# Allegro board MYD-Y6ULX_TEST_V10A.brd (continued)
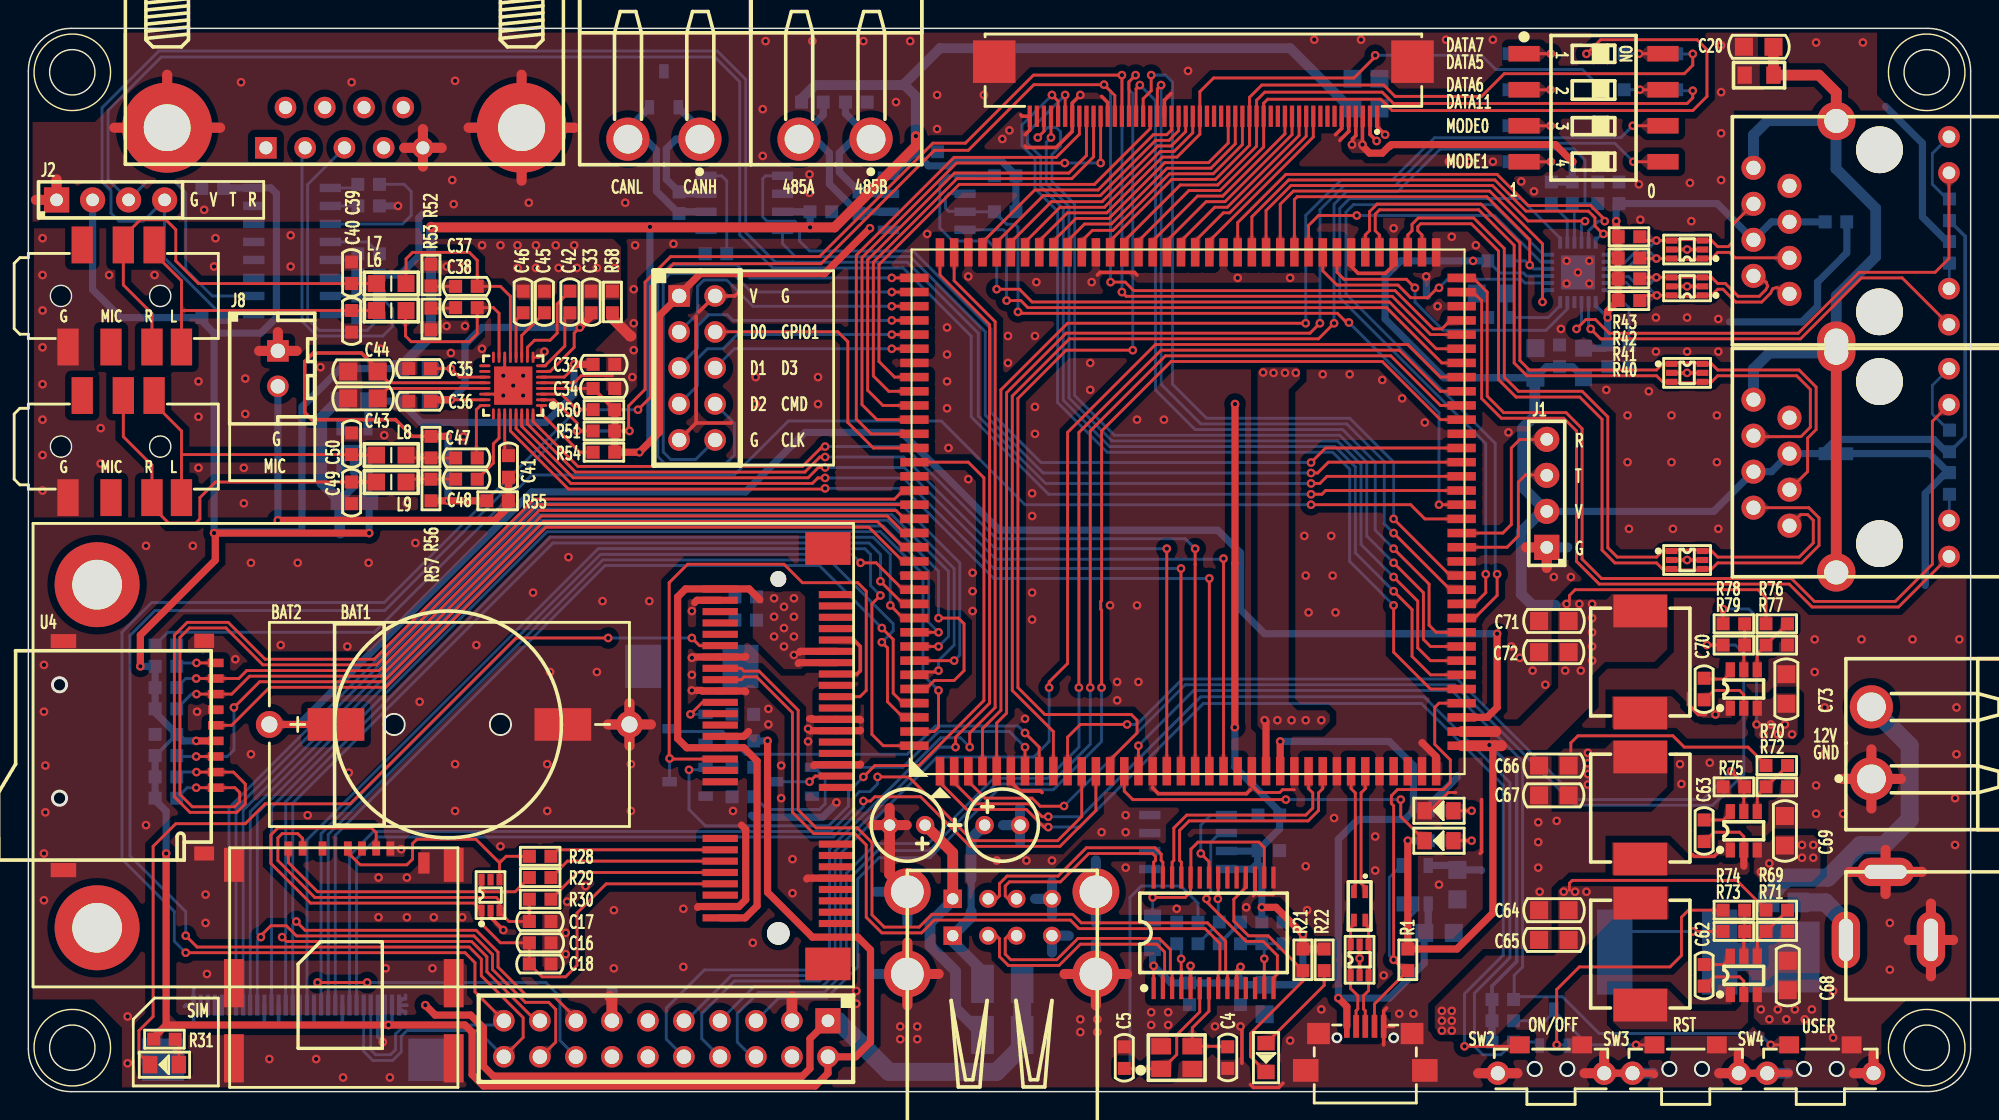
[diagram p0: board, top side]
## Routing (per net, layer and track width the routed paths; a pad name or vN(x,y) marks a point on that pad's centre or on a via; arc(x,y) is an arc through that point) (continued)
SNVS_TAMPER1: length 24.7
  TOP w0.203: v1(88.7,20.6) 77.9,20.6 77.3,21.2 U1.14 ; v1(96.8,20.6) 96.8,19.4 98.48,17.72 D2.2
  BOTTOM w0.203: v1(88.7,20.6) v1(96.8,20.6)
SNVS_TAMPER3: length 69.8
  TOP w0.203: v1(58.9,20.5) 59.4,20.5 59.7,20.8 62.93,20.8 66.43,17.3 72.77,17.3 75.3,19.83 U1.12
  BOTTOM w0.203: v1(58.9,20.5) 58.9,20.1 58.63,19.83 58.63,19.82 56.77,17.96 24.67,17.96 23.15,16.44 J11.7
SNVS_TAMPER4: length 71
  TOP w0.203: U1.11 74.3,19.4 72.6,17.7 66.6,17.7 62.1,22.2 v1(59.9,22.2)
  BOTTOM w0.203: J11.8 22.65,16.65 24.35,18.35 56.61,18.35 58.24,19.98 58.24,20.77 58.63,21.16 59.36,21.16 59.9,21.7 v1(59.9,22.2)
SNVS_TAMPER5: length 58.5
  TOP w0.203: U1.10 73.3,25 74.2,25.9 v1(77.5,25.9) ; U22.5 121,21.44 R75.2 121.06,21.64 v1(120.1,22.6)
  BOTTOM w0.203: v1(77.5,25.9) 78.2,25.9 81.4,29.1 100.8,29.1 109.3,20.6 118.1,20.6 v1(120.1,22.6)
TEST/SCL: length 14.7
  TOP w0.203: U6.14 87.83,8.03 88.1,8.3 88.1,9.6 87.1,10.6 85.9,10.6 83.1,13.4 v1(83.1,13.6)
  BOTTOM w0.203: U7.6 84.04,18.24 83.4,17.6 83.4,14.1 83.1,13.8 v1(83.1,13.6)
UART1_CTS: length 54.6
  TOP w0.203: U1.54 v1(99.5,41.4) ; v1(93.15,54.25) 92.98,54.25 92.33,54.9 69.9,54.9 v1(69.8,55)
  BOTTOM w0.203: v1(93.15,54.25) 99.5,47.9 v1(99.5,41.4) ; v1(69.8,55) 69.8,60.98 69.6,61.18 69.01,61.18 R65.1 U18.3 66.03,62.1 64.9,62.1 64.69,62.31 64.69,63.09 64.93,63.33 U18.2
UART1_RXD: length 11.9
  TOP w0.203: J1.4 107.09,46 105.2,46 104.6,45.4 104.6,40 104,39.4 U1.52
UART1_TXD: length 10.4
  TOP w0.203: U1.51 104.3,38.4 105.1,39.2 105.1,43 105.6,43.5 107.07,43.5 J1.3
UART2_RXD: length 144.7
  TOP w0.203: U1.56 91.6,43.4 91.1,42.9 v1(90.47,42.9)
  BOTTOM w0.203: U17.9 14.02,54.85 R61.2 13.76,54.64 9.61,58.79 J2.4 8.11,61.4 6.4,61.4 5.83,61.97 5.83,63.54 5.2,64.17 5.2,69.4 9.2,73.4 48.6,73.4 50.6,71.4 50.6,60.6 52.68,58.52 53.92,58.52 53.94,58.51 61.99,58.51 67,53.5 67,47.66 71.76,42.9 v1(90.47,42.9)
UART2_TXD: length 142.4
  TOP w0.203: U1.55 91.5,42.4 91.24,42.14 v1(90.47,42.14)
  BOTTOM w0.203: U17.10 12.97,56.12 11.1,58 11.1,63.4 10.3,64.2 8.37,64.2 J2.3 5.62,64.35 5.62,69.22 9.38,72.98 48.42,72.98 50.18,71.22 50.18,60.42 52.5,58.1 61.7,58.1 66.5,53.3 66.5,47.6 71.96,42.14 v1(90.47,42.14)
UART3_CTS: length 94.1
  TOP w0.203: v1(72,28.5) 72,28.9 73.3,30.2 73.3,46.5 79.5,52.7 97.3,52.7 99.6,50.4 U1.63
  BOTTOM w0.203: v1(72,28.5) 72,24.7 70.9,23.6 64.1,23.6 57.3,16.8 57.3,9.3 55.8,7.8 49.8,7.8 47.5,5.5 47.5,3.74 J14.8
UART3_RTS: length 89.8
  TOP w0.203: U1.62 99.6,49.4 96.7,52.3 79.9,52.3 74.1,46.5 v1(74.1,28.5)
  BOTTOM w0.203: J14.7 51.17,7.39 55.97,7.39 57.7,9.11 57.7,15.4 59.8,17.5 63.49,17.5 68.09,22.1 71.9,22.1 74.1,24.3 v1(74.1,28.5)
UART3_RXD: length 92.1
  TOP w0.203: U1.61 99.6,48.4 96.1,51.9 80.2,51.9 74.9,46.6 v1(74.9,28.5)
  BOTTOM w0.203: v1(74.9,28.5) 74.9,24.5 72.1,21.7 68.24,21.7 63.54,17 59.9,17 58.11,15.21 58.11,8.96 56.14,6.99 51.49,6.99 50,5.5 50,3.5 51.04,2.46 J14.6
UART3_TXD: length 87.2
  TOP w0.203: U1.60 99.6,47.4 95.5,51.5 80.6,51.5 75.7,46.6 75.7,34.63 75.64,34.57 75.64,34.03 75.7,33.97 v1(75.7,28.5)
  BOTTOM w0.203: v1(75.7,28.5) 75.7,24.7 72.3,21.3 68.4,21.3 63.6,16.5 60,16.5 58.5,15 58.5,8.8 56.3,6.6 52.92,6.6 J14.5
UART4_RXD: length 49.2
  TOP w0.203: U1.65 99.3,52.4 96,55.7 70.8,55.7 69.9,56.6 v1(68.3,56.6)
  BOTTOM w0.203: v1(68.3,56.6) 68.3,59.4 67.7,60 65.2,60 64.29,60.91 64.29,63.99 64.9,64.6 U18.1 R63.2
UART4_TXD: length 41.7
  TOP w0.203: v1(69,55.8) 70,55.8 70.5,55.3 95.8,55.3 99.7,51.4 U1.64
  BOTTOM w0.203: U18.4 68.8,60.79 69,60.59 v1(69,55.8)
UART7_RXD: length 68.9
  TOP w0.203: v1(65.4,24.3) 65.4,25 67.8,27.4 67.8,54.1 64.3,57.6 U1.106
  BOTTOM w0.203: v1(65.4,24.3) 64.24,24.3 56.91,16.96 56.91,9.46 55.64,8.19 49.59,8.19 46.4,5 J14.9
UART7_TXD: length 74.8
  TOP w0.203: v1(66.4,24.3) 66.4,25.3 68.19,27.09 68.19,54.31 65.3,57.2 U1.105
  BOTTOM w0.203: v1(66.4,24.3) 65.74,24.96 64.35,24.96 56.51,17.13 56.51,9.63 55.47,8.59 47.69,8.59 45,5.9 45,3.7 J14.10
USB_OTG1_DN: length 8.7
  TOP w0.203: U1.30 93.3,21.37 93.6,21.07 93.6,14.6 93.5,14.5 L1.2
USB_OTG1_DP: length 8.7
  TOP w0.203: L1.1 94.3,14.4 94,14.7 94,21.07 94.3,21.37 U1.31
USB_OTG1_ID: length 37.3
  TOP w0.203: U1.40 99.5,27.4 99.2,27.1 99.2,24.5 100.3,23.4 100.3,21.8 99.81,21.31 96.57,21.31 96.14,20.87 96.14,20.33 96.3,20.17 v1(96.3,9.3) 97.06,8.54 R1.2 94.95,6.19 USB1.4
  BOTTOM w0.203: v1(96.3,9.3) 96,9.6 96,15.12 U2.4
USB_OTG1_VBUS: length 46.4
  TOP w0.508: USB1.1 93,6 v1(92.4,6.6) ; U1.25 v1(88.3,24.7)
  BOTTOM w0.508: v1(88.3,24.7) 96,24.7 97.7,23 97.7,19.81 97.09,19.2 93.8,19.2 92.4,17.8 v1(92.4,6.6) 96,6.6 98.46,9.06 C2.1 98.74,11.48 U2.1
USB_OTG2_DN: length 16.7
  TOP w0.203: U6.25 81.33,16.18 81.2,16.31 81.2,18.43 81.87,19.1 90.27,19.1 91,19.83 91,21.07 91.3,21.37 U1.28
USB_OTG2_DP: length 16.7
  TOP w0.203: U1.27 90.3,21.37 90.6,21.07 90.6,20 90.1,19.51 81.71,19.51 80.8,18.6 80.8,16.31 80.67,16.18 U6.26
WAKE_IN: length 4.4
  TOP w0.203: U8.19 55.5,22.26 v1(55.1,21.86)
  BOTTOM w0.203: Q2.3 v1(55.1,21.86)
WAKE_OUT: length 5.4
  TOP w0.203: v1(46.7,26.62) 47.54,27.46 U8.32
  BOTTOM w0.203: v1(46.7,26.62) Q3.1 R35.1
WLAN_GPIO1: length 20.8
  TOP w0.203: U1.119 59.6,45.4 57.8,47.2 57.8,52.9 57.1,53.6 48.45,53.6 J13.4
X1: length 9.5
  TOP w0.203: C5.2 79.86,1.64 U5.1 79.99,1.6 81,2.61 81,4 82.62,5.62 U6.6
X2: length 7.1
  TOP w0.203: C4.2 84.56,3.2 U5.3 82.1,4.5 83.28,5.67 83.28,7.3
X+: length 62.8
  TOP w0.203: J10.48 71.63,67.73 v1(71.2,67.3) ; U1.44 98.9,31.4 98.4,31.9 98.4,35.2 v1(96.3,37.3)
  BOTTOM w0.203: v1(96.3,37.3) 94.4,39.2 94.4,44.4 92.5,46.3 76.6,46.3 73.8,49.1 73.8,62.6 72.2,64.2 72.2,66.1 72.8,66.7 72.8,67.7 72.5,68 71.9,68 v1(71.2,67.3)
X-: length 61.3
  TOP w0.203: v1(72.13,67.3) J10.47 ; U1.43 98.9,30.4 98,31.3 98,34.6 v1(96.3,36.3)
  BOTTOM w0.203: v1(96.3,36.3) 94,38.6 94,44.23 92.33,45.9 76.43,45.9 73.4,48.93 73.4,62.43 71.8,64.03 71.8,66.97 v1(72.13,67.3)
Y+: length 66.8
  TOP w0.203: J10.45 v1(73.13,70.3) ; v1(96.3,35.3) 97.6,34 97.6,30.7 98.9,29.4 U1.42
  BOTTOM w0.203: v1(96.3,35.3) 93.6,38 93.6,44.07 92.17,45.5 76.27,45.5 73,48.77 73,62.27 71.4,63.87 71.4,65.97 70.48,66.88 70.48,67.65 72.86,70.03 72.86,70.03 v1(73.13,70.3)
Y-: length 67.9
  TOP w0.203: J10.46 72.63,69.87 v1(72.2,70.3) ; v1(96.3,34.3) 96.3,31 98.9,28.4 U1.41
  BOTTOM w0.203: v1(96.3,34.3) 93.2,37.4 93.2,43.9 92,45.1 76.1,45.1 72.6,48.6 72.6,62.1 71,63.7 71,65.8 70.09,66.71 70.09,68.19 v1(72.2,70.3)
N16889248: length 1.9
  BOTTOM w0.203: R36.2 135.5,40.31 J5.10
N16905474: length 25.9
  TOP w0.203: CON1.7 19.34,17.86 19,18.2 17.9,18.2 17.6,17.9 17.6,16.3 20.2,13.7 33,13.7 33.23,13.46 U9.3 33.23,12.66 33.9,12 C17.2 R30.2
N16911499: length 16.9
  TOP w0.203: CON1.2 22.54,16.86 23.4,16 26.7,16 27.1,16.4 27.1,17.5 27.4,17.8 31.57,17.8 33.23,16.14 ; 33.23,16.14 U9.4 ; 33.23,16.14 33.7,16.6 R28.2
N16911724: length 20.1
  TOP w0.203: 31.96,14.37 31.96,14.34 32.2,14.1 34.34,14.1 R29.2 ; 31.96,14.37 U9.6 ; 31.96,14.37 31.7,14.1 20.4,14.1 18.34,16.16 CON1.3
N16991409: length 62.5
  TOP w0.203: U8.42 47.34,31.46 v1(46.8,32) ; v1(40.9,32) 34.4,32 22.7,20.3 16.7,20.3 15.3,18.9 10.4,18.9 8.8,17.3 8.8,5.3 7.8,4.3 7.8,2.68 D5.2
  BOTTOM w0.203: v1(46.8,32) v1(40.9,32)
N16991437: length 1.9
  TOP w0.203: R31.2 10.62,3.45 D5.1
N16996138: length 1.8
  BOTTOM w0.203: J6.10 135.5,56.67 R47.2
N16997168: length 4.6
  BOTTOM w0.203: R44.1 112.9,55.3 111.67,56.53 U12.24
N16997308: length 6
  BOTTOM w0.203: U12.6 108.05,55.45 107.2,54.6 C23.2 104.24,54.82 C22.2
N17001960: length 3.2
  BOTTOM w0.203: U12.14 108.55,61.51 R45.1
N17005282: length 3.3
  TOP w0.203: SW1.1 v1(107.39,73.21)
  BOTTOM w0.203: v1(107.39,73.21) R4.1
N17005285: length 3.3
  TOP w0.203: v1(107.37,70.67) SW1.2
  BOTTOM w0.203: R6.1 v1(107.37,70.67)
N17005288: length 3.3
  TOP w0.203: SW1.3 v1(107.37,68.13)
  BOTTOM w0.203: v1(107.37,68.13) R8.1
N17005291: length 3.3
  TOP w0.203: v1(107.39,65.59) SW1.4
  BOTTOM w0.203: R9.1 v1(107.39,65.59)
N17005570: length 3.8
  TOP w0.203: SW1.7 v1(113.67,70.67)
  BOTTOM w0.203: R5.2 v1(113.67,70.67) R7.2
N17005584: length 3.9
  TOP w0.203: SW1.8 v1(113.61,73.21)
  BOTTOM w0.203: R3.2 v1(113.61,73.21) R2.2
N17013689: length 5.4
  TOP w0.203: U15.1 36.2,47.8 38.9,45.1 R54.2
N17013709: length 4.7
  TOP w0.203: C42.2 37.84,54.58 37.84,52.6 36.44,51.2 U15.8
N17013712: length 6.5
  TOP w0.203: U15.10 35.2,52.5 35.7,53 36.8,53 37.3,53.5 37.3,55.56 C42.1
N17013780: length 3.3
  TOP w0.203: C46.2 34.4,54.44 U15.12
N17013785: length 3.8
  TOP w0.203: C45.2 34.8,53.34 U15.11
N17014325: length 5.5
  TOP w0.203: C35.2 v1(29.8,51) 30.4,50.4 U15.19
  BOTTOM w0.203: v1(29.8,51) L4.1
N17015654: length 13.9
  TOP w0.203: L6.1 26.6,55.06 26.6,53.3 27,52.9 31.1,52.9 31.66,53.46 C38.2 32.8,55.3 33.2,54.9 U15.15
N17015657: length 16
  TOP w0.203: L7.1 26.64,58.74 27.1,59.2 31.1,59.2 31.66,58.64 C37.2 33.3,56.8 34,56.1 U15.13
N17015712: length 1.8
  TOP w0.203: C37.1 28.44,56.8 R52.2
N17015715: length 1.8
  TOP w0.203: R53.2 30.1,55.26 C38.1
N17016369: length 3
  TOP w0.203: C41.2 33.6,45.12 U15.27
N17016372: length 7.8
  TOP w0.203: C43.2 25.34,49.6 U15.21
N17016375: length 36.8
  TOP w0.203: C44.2 25.44,50 U15.20
  TOP w0.254: R56.2 27.08,46.22 25.9,47.4 20,47.4 19.5,47.9 19.5,51.5 20.1,52.1 23.5,52.1 24.64,50.96 C44.2
  TOP w0.508: R56.2 v1(29.58,46.22) ; R57.2 v1(29.6,41.68) R55.2
  BOTTOM w0.508: v1(29.6,41.68) 29.6,46.2 v1(29.58,46.22)
N17016418: length 28.2
  TOP w0.508: C41.1 R55.1 33.86,41.26 32.9,40.3 v1(17.6,40.3)
  BOTTOM w0.508: v1(17.6,40.3) J8.2
N17021058: length 21.8
  TOP w0.203: J7.5 8.87,59.13 10.8,57.2 10.8,55.1 ; 10.8,55.1 C40.2 L6.2 ; 10.8,55.1 J7.4
N17021063: length 30.1
  TOP w0.203: J7.3 8.72,54.88 6.7,56.9 J7.6 6.7,60.3 7.9,61.5 9.7,61.5 10.4,60.8 10.4,58.6 12,57 C39.2 L7.2
N17107223: length 4.7
  BOTTOM w2: D6.3 119.64,9.5 F3.1
N17291493: length 4.1
  TOP w0.203: C47.2 31.6,44.76 31.6,48.1 31.9,48.4 U15.24
N17291502: length 5.2
  TOP w0.203: C48.2 32.8,44.34 32.8,45.7 33.2,46.1 U15.26
N17291511: length 3.6
  TOP w0.203: C47.1 R56.1 26.84,44.7 L8.1
N17291514: length 3.6
  TOP w0.203: L9.1 26.84,43.2 R57.1 C48.1
N17291739: length 27.1
  TOP w0.203: L9.2 C49.2 13.2,43 12.1,41.9 12.1,40.4 11.8,40.1 9.9,40.1 8.72,41.28 J9.3 8.72,44.18 6.7,46.2 J9.6
N17291742: length 21.8
  TOP w0.203: 10.8,44.9 10.84,44.94 C50.2 22.84,44.9 L8.2 ; 10.8,44.9 J9.4 ; 10.8,44.9 10.8,46.6 8.87,48.53 J9.5
N17292936: length 15
  TOP w0.203: U6.16 87.17,17.23 86.8,17.6 82.5,17.6 82,17.1 82,15.12 U6.24 81.97,14.07 81.6,13.7 v1(79.3,13.7)
  BOTTOM w0.203: v1(79.3,13.7) L2.2
N17293006: length 3.3
  TOP w0.203: v1(81.31,9.36) 81.31,8.6 81.33,8.59 U6.4
  BOTTOM w0.203: v1(81.31,9.36) 81.31,10.12 R20.2
N17293058: length 18.9
  TOP w0.203: U6.18 85.88,14.41 85.03,13.57 85.03,12.03 86.06,10.99 87.44,10.99 R21.1 89.9,7.8 86.2,4.1 86.2,2.48 D4.2
N17293096: length 6.8
  TOP w0.203: D4.1 87.32,3.42 91.4,7.5 R22.1
N17293122: length 6.2
  TOP w0.203: U6.13 v1(87.17,9.38)
  BOTTOM w0.203: R24.2 87.17,10.26 v1(87.17,9.38) ; R24.2 R25.2 ; R24.2 C9.2
N17295185: length 17.8
  TOP w0.762: USB2.5 65.2,16.85 C7.1
  BOTTOM w0.762: USB2.5 65.2,13.5 63.6,11.9 63.6,10.3 65.4,8.5 65.4,5.9 F2.2
N17295211: length 13
  BOTTOM w0.508: 66.5,15 66.5,12.7
  BOTTOM w0.762: F1.2 67.3,8.5 65.2,10.6 USB2.1 66.5,12.3 66.5,12.7 ; C8.1 66.5,17.85 66.5,15
N17304613: length 2.8
  TOP w0.203: D2.1 v1(101.8,17.7)
  BOTTOM w0.203: v1(101.8,17.7) R11.2
N17311387: length 10.1
  BOTTOM w0.203: U17.3 26.41,61.2 27,61.8 27,63.5 26.5,64 C55.2
N17311391: length 2
  BOTTOM w0.203: U17.1 22.98,63.74 C55.1
N17311419: length 2
  BOTTOM w0.203: 21.3,57.4 23.03,57.4 C58.2
N17311458: length 2.1
  BOTTOM w0.203: C57.2 22.8,58.66 U17.5
N17311462: length 3.8
  BOTTOM w0.203: 21.3,59.94 23.93,59.94 C57.1
N17311731: length 2
  BOTTOM w0.203: R59.2 22.98,54.85 U17.8
N17311734: length 1.9
  BOTTOM w0.203: U17.7 R60.2
N17312700: length 6.7
  BOTTOM w0.203: R68.2 49.26,64.24 48.9,64.6 U19.8
N17320487: length 5.5
  BOTTOM w0.203: J6.12 134.3,66.18 134.3,64 135.34,62.96 R48.2
N17320588: length 5.4
  BOTTOM w0.203: R38.2 135.44,46.66 134.3,47.8 134.3,49.82 J5.12
N17325738: length 11.4
  TOP w0.203: SW3.3 v1(113.4,3.3)
  BOTTOM w0.203: 107.6,5.7 D3.3 ; 107.6,5.7 110,3.3 v1(113.4,3.3) ; 107.6,5.7 107.6,5.6 107,5 R12.1
N17331390: length 5.3
  TOP w0.203: C63.2 118.24,17.64 118.9,18.3 120.7,18.3 121,18 U22.2
  TOP w0.508: U22.2 121,15.9
N17331420: length 2.2
  TOP w0.203: C63.1 119.56,19.16 120.05,19.65 U22.6
N17331510: length 4.1
  TOP w0.203: U22.4 121.95,20.89 R72.1 122.59,21.5 R70.2
N17331576: length 4.2
  TOP w0.203: U21.2 121,7.8 120.7,8.1 118.9,8.1 118.24,7.44 C62.2
N17331606: length 2.2
  TOP w0.203: U21.6 120.05,9.45 119.56,8.96 C62.1
N17331692: length 3.3
  TOP w0.203: R74.1 R73.2 121,11.24 U21.5
N17331696: length 4.1
  TOP w0.203: U21.4 121.95,10.69 R71.1 122.59,11.3 R69.2
N17332902: length 4.2
  TOP w0.203: U23.2 121,28 120.7,28.3 118.9,28.3 118.24,27.64 C70.2
N17332932: length 2.3
  TOP w0.203: C70.1 118.26,29.1 119.6,29.1 120.05,29.55 U23.6
N17333018: length 3.3
  TOP w0.203: U23.5 121,31.44 R79.1 R78.2
N17333022: length 4.1
  TOP w0.203: R76.2 124.06,33 R77.1 121.95,30.89 U23.4
N17334842: length 2.8
  TOP w0.203: v1(101.8,19.81) D1.1
  BOTTOM w0.203: R10.2 v1(101.8,19.81)
N17336326: length 4.4
  TOP w0.203: U4.9 v1(11.86,30.24)
  BOTTOM w0.203: R81.1 R80.1 10.7,30.24 v1(11.86,30.24)
N173113758: length 1.9
  BOTTOM w0.203: 21.3,62.48 C56.2

## Copper pours and planes (outline as drawn; the poured copper is in the pictures)
GND on BOTTOM: 6.7,74.7 130.4,74.7 130.4,70.3 131.6,69.1 120.3,69.1 120.3,36.2 136.7,36.2 136.7,6.6 132.6,6.6 130.7,4.7 130.7,0.3 6.6,0.3 6.6,4.5 4.6,6.5 0.3,6.5 0.3,68.4 4.7,68.4 6.7,70.4 ; 43 cut-outs
VDD_3.8V_4G on TOP: 51.5,35.3 54.4,35.3 54.8,34.9 54.8,30.1 54.5,29.8 53.3,29.8 51.1,32 51.1,34.9
VDD_3.8V_4G on TOP: 107.9,23.8 107.9,20.2 114.3,20.2 115.6,21.5 115.6,24.8 111.8,24.8 111.2,24.2 108.3,24.2
VDD_3.8V_4G on BOTTOM: 50.9,35.4 54.6,35.4 54.9,35.1 54.9,29.6 56.6,27.9 65,27.9 68.8,31.7 102.8,31.7 110.5,24 110.5,21.5 110.2,21.2 109.7,21.2 100.9,30 69.9,30 66.2,26.3 54.8,26.3 52.6,28.5 49,28.5 49,31.6 50.5,31.6 50.9,32
VDD_3V3 on TOP: 111.7,35.1 115.6,35.1 115.6,31.2 114.7,30.3 111.2,30.3 110.3,29.4 110.3,27.3 107.1,24.1 103.1,24.1 103.1,25.8 105.2,25.8 107.9,28.5 107.9,33.9 108,34 108,34.4 108.3,34.7 111.3,34.7
VDD_3V3 on TOP: 93.2,67.2 94.1,67.2 94.4,66.9 94.4,66.4 94.2,66.2 93.4,66.2 93.1,66.5 93.1,67.1
VDD_3V3 on BOTTOM: 84.2,70.1 92.7,70.1 92.8,70 94,70 94,67.9 94.4,67.5 94.4,66.6 94.2,66.4 85.8,66.4 84.4,65 84.4,51.4 86.1,49.7 94.7,49.7 98.9,45.5 98.9,37.1 100,36 106.5,36 107.85,34.65 107.9,34.7 110.6,34.7 110.7,34.6 110.7,29.6 110.1,29 108.3,29 107.6,29.7 107.6,29.8 104.7,32.7 98,32.7 96.8,33.9 96.8,43.8 92.7,47.9 84.3,47.9 82,50.2 82,67.9
VDD_5V on TOP: 87,25.5 91.2,25.5 91.8,26.1 91.8,26.6 91.5,26.9 89.5,26.9 88.9,27.5 88.9,49.5 89.7,50.3 89.7,50.9 89.5,51.1 87,51.1 86.7,50.8 86.7,25.8
VDD_5V on TOP: 108.2,14.5 115.7,14.5 115.7,12.2 111.8,12.2 103.6,4 99.7,4 99.2,4.5 99.2,6 102.8,9.6 107.6,9.6 108,10 107.9,10 107.9,14.2
VDD_5V on TOP: 121.6,27.7 122.9,27.7 123.3,28.1 124.6,28.1 124.8,27.9 124.8,25.2 124.5,24.9 122,24.9 121.6,25.3
VDD_5V on BOTTOM: 121.7,26.3 124.5,26.3 124.9,25.9 124.9,19.4 123.9,18.4 112.1,18.4 110.3,16.6 110.3,13.9 110,13.6 108.1,13.6 107.8,13.9 107.8,17.7 109.8,19.7 121.1,19.7 121.7,20.3 121.7,25.3 121.5,25.5 121.5,26.1
VDD_5V on BOTTOM: 94.7,70 96.7,70 96.8,69.9 96.8,67 96.9,66.9 96.9,65.5 96,64.6 90.4,64.6 88,62.2 88,54 89.8,52.2 89.8,50.7 89.4,50.3 86.8,50.3 86.3,50.8 86.3,63 89.4,66.1 94.4,66.1 94.7,66.4
VDD_5V on BOTTOM: 26.5,6.9 28.1,6.9 28.3,6.7 28.3,5.7 28,5.4 26.5,5.4
VDD_5V on BOTTOM: 103.6,21.3 103.6,9.7 100.8,6.9 100.8,6.1 101.2,5.7 101.2,1 100.6,0.4 71.6,0.4 69.3,2.7 69.2,2.7 69.2,3.7 70.9,5.4 73.8,2.5 97.7,2.5 98.8,3.6 98.8,7.4 102.1,10.7 102.1,21 97.6,25.5 87,25.5 86.7,25.8 86.7,26.6 87.2,27.1 97.8,27.1
VDD_12V on TOP: 121.7,17.6 122.8,17.6 123.3,18.1 125.9,18.1 126.4,17.6 126.4,15.4 125.8,14.8 122.3,14.8 121.7,15.4
VDD_12V on TOP: 121.7,7.4 122.9,7.4 123.4,7.9 126.2,7.9 126.5,7.6 126.5,5.1 126.1,4.7 122.2,4.7 121.7,5.2
VDD_12V on BOTTOM: 110.6,6.1 110.6,16.2 112.4,18 125.9,18 126.3,17.6 126.3,16.2 125.9,15.8 123.4,15.8 122.4,14.8 114.1,14.8 113.2,13.9 113.2,6.9 113.9,6.2 126.2,6.2 126.5,5.9 126.5,5.1 126.1,4.7 112,4.7
(no net) on TOP: 6.7,74.7 130.4,74.7 130.4,70.3 131.5,69.2 120.3,69.2 120.3,36.2 136.7,36.2 136.7,6.6 132.6,6.6 130.7,4.7 130.7,0.3 6.6,0.3 6.6,4.5 4.6,6.5 0.3,6.5 0.3,68.4 4.7,68.4 6.7,70.4 ; 63 cut-outs
AUDIO_GND on TOP: 0.4,60.9 40.5,60.9 41.8,59.6 41.8,54.8 36.7,49.7 36.7,43.2 34,40.5 0.4,40.5 ; 6 cut-outs
AUDIO_GND on BOTTOM: 0.4,60.9 40.5,60.9 41.9,59.5 41.9,51.3 41.6,51 38,51 36.7,49.7 36.7,43.2 34,40.5 0.4,40.5 ; 6 cut-outs
N17331390 on TOP: 111.7,17.6 115.6,17.6 117,16.2 120.5,16.2 120.7,16.4 120.7,17.6 121.3,17.6 121.4,17.5 121.4,15.5 121.2,15.3 111.7,15.3
N17331576 on TOP: 111.8,7.3 115.6,7.3 117.2,5.7 120.4,5.7 120.6,5.9 120.6,7.4 121.3,7.4 121.3,4.9 120.8,4.4 112.3,4.4 111.8,4.9
N17332902 on TOP: 111.7,27.9 115.9,27.9 117.9,25.9 120.4,25.9 120.6,26.1 120.6,27.6 121.3,27.6 121.3,25.2 121,24.9 117,24.9 116.3,25.6 111.7,25.6

Small or netless copper shapes (teardrops, artwork), in the pictures only: 647 on TOP, 458 on BOTTOM

## Text on the board
Ref Des/Silkscreen Bottom: NAME:MYD-Y6ULX_TEST_V10A | DATE:2018_12_29 | I2C2_SDA | I2C2_SCL | CSI_D5 | CSI_D4 | CSI_D6 | CSI_D7 | G | NC | U7_RXD | U7_TXD | U3_RTS | U3_TXD | U3_RXD | 5V | 3V3
Ref Des/Silkscreen Top: SIM | G | V | T | R | MIC | CANL | CANH | D0 | D1 | D2 | GPIO1 | D3 | CMD | CLK | 485A | 485B | DATA7 | DATA5 | DATA6 | DATA11 | MODE0 | MODE1 | 1 | ON/OFF | 0 | RST | USER | 12V | GND
DISPLAY_TOP: FIGURE | FINISHED_SIZE | 0.3048 | 0.8 | 0.889 | 0.9144 | 1.0 | 1.0008 | 1.016 | 1.143 | 1.7 | 2.032 | 2.3 | 3.302 | 3.5052 | 1.1176 | 1.6002 | 3.3 | 3.0x1.0 | DRILL CHART: TOP to BOTTOM | ALL UNITS ARE IN MILLIMETERS | ROTATION | - | 0.000 | 90.000 | PLATED | NON-PLATED | QTY | 583 | 12 | 17 | 9 | 6 | 16 | 31 | 2 | 4 | 1 | 703 | TOTAL HOLES:
